# KiCad board Led_clock_sector.kicad_pcb (continued)
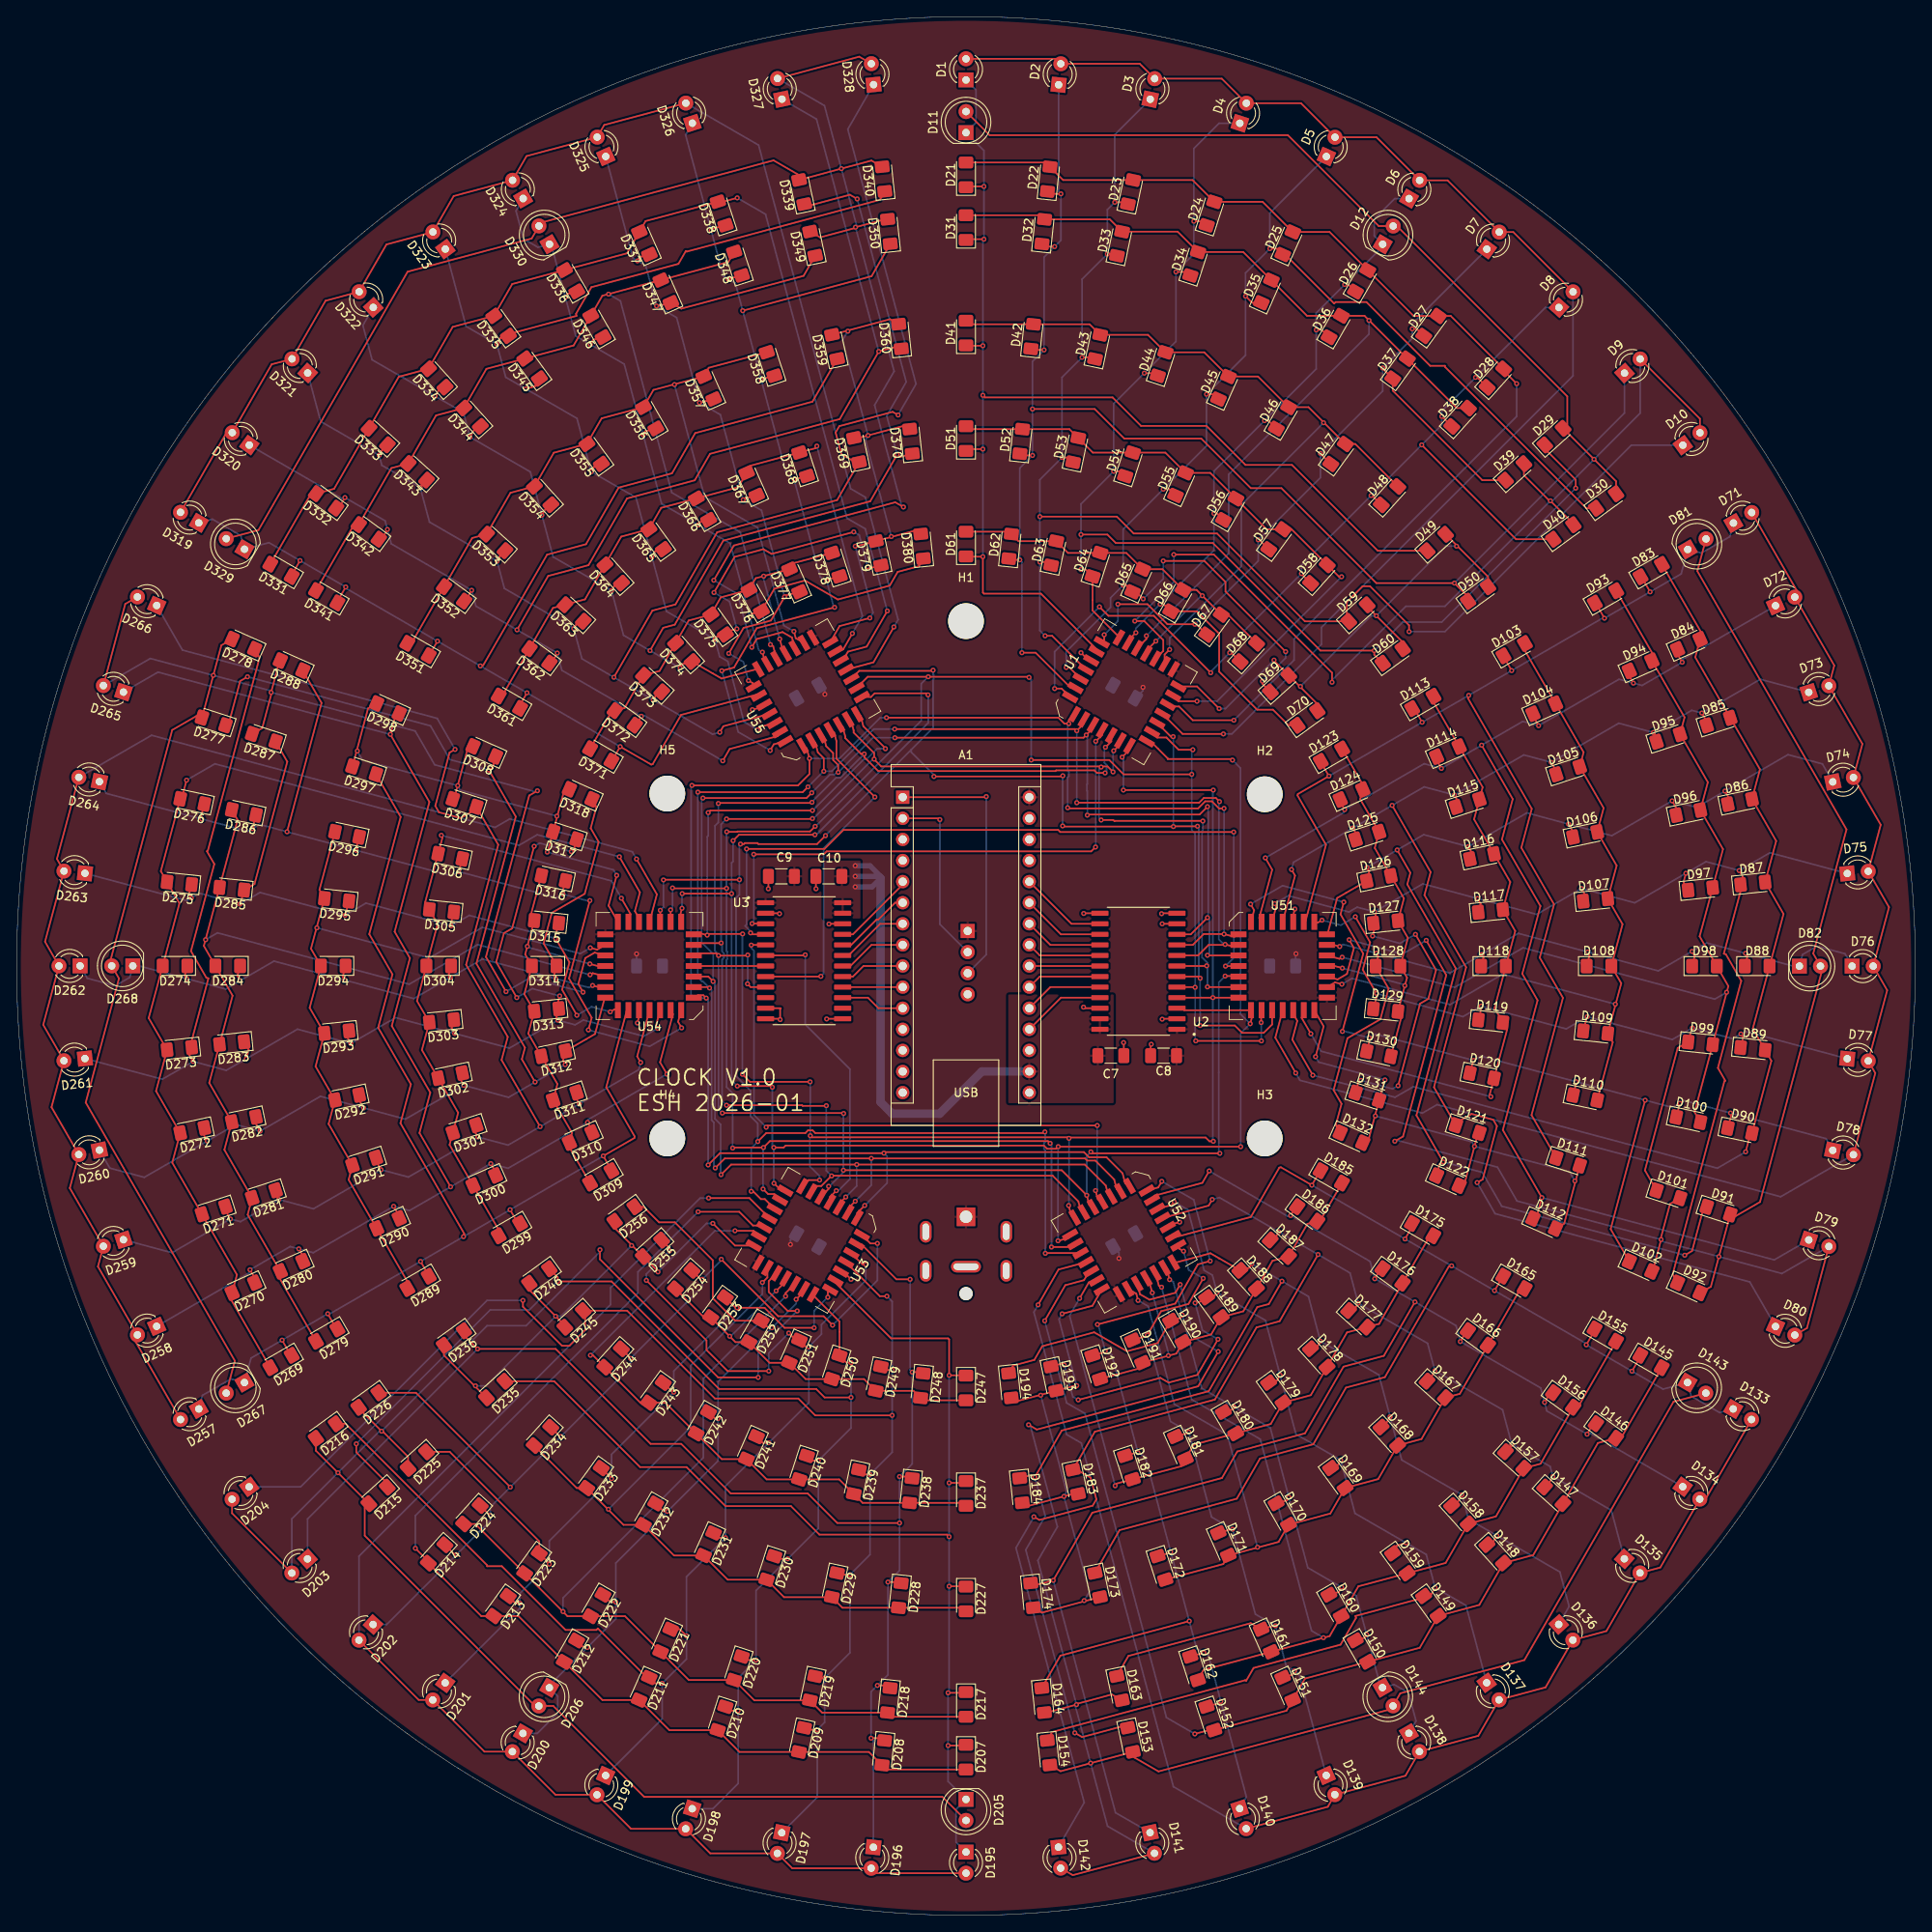
[diagram p0: board, top side]
## Routing (per net, layer and track width the routed paths; a pad name or vN(x,y) marks a point on that pad's centre or on a via; arc(x,y) is an arc through that point) (continued)
/Sector6/Sf: length 101.4
  Top w0.2: v1(88.28,156.33) 88.5,156.71 D376.1 91.23,159.72 94.92,160.71 98.88,158.43 105.12,160.1 106.07,161.75 108.64,162.44 D380.1 ; v1(69.08,189.12) 69.41,189.69 D346.1 ; D356.1 75.66,178.67 v1(75.43,178.27) ; D336.1 66.29,195.2 v1(66.07,194.82) ; U55.24 90.13,150.81 v1(89.79,152.09) ; v1(82.06,167.4) 82.25,167.73 D366.1
  Bottom w0.2: v1(89.79,152.09) 89.35,152.34 v1(88.28,156.33) 85.91,165.18 v1(82.06,167.4) 77.66,169.94 v1(75.43,178.27) 73.15,186.77 v1(69.08,189.12) 67.32,190.13 v1(66.07,194.82) 64.39,201.06 D330.1 62.77,200.83 61.03,201.83 60.12,205.21 D324.1
/Sector6/Sg: length 103.9
  Top w0.2: v1(88.1,148.66) 88.63,148.36 U55.26 ; D367.1 87.54,170.55 v1(87.48,170.43) ; v1(77.04,193.76) 77.11,193.72 D347.1 80.02,193.44 94.75,197.39 D349.1 ; D337.1 75.02,199.66 v1(74.75,199.19) ; v1(85.74,151.93) 87.52,155.01 90.81,155.89 v1(92.47,158.75) 92.55,158.9 D377.1 ; D357.1 82.24,182.11 v1(82.2,182.13)
  Bottom w0.2: v1(85.74,151.93) 87.5,150.91 v1(88.1,148.66) ; D325.1 74.22,199.5 v1(74.75,199.19) 75.74,198.62 v1(77.04,193.76) 79.46,192.36 v1(82.2,182.13) 84.73,180.67 v1(87.48,170.43) 89.68,169.16 v1(92.47,158.75)
/~{EWR0}: length 10.1
  Top w0.2: U3.21 100.69,118.11 106.68,124.1 A1.5
/~{EWR1}: length 9.3
  Top w0.2: U3.20 100.48,116.84 103.53,119.89 103.73,119.89 105.77,121.92 A1.6
/~{EWR2}: length 8.8
  Top w0.2: U3.19 100.15,115.57 103.96,119.38 A1.7
/~{EWR3}: length 8.3
  Top w0.2: A1.8 102.92,116.84 100.38,114.3 U3.18
/~{EWR4}: length 7.8
  Top w0.2: A1.9 101.96,114.3 100.69,113.03 U3.17
/~{EWR5}: length 7.2
  Top w0.2: U3.16 A1.10
/~{WR0}: length 66
  Top w0.2: v1(129.9,128.63) 129.37,128.1 97.53,128.1 97.17,127.75 v1(88.75,127.75) ; U1.8 130.69,142.12 v1(129.92,141.35) ; v1(88.54,119.41) 90.14,119.41 U3.3
  Bottom w0.2: v1(129.92,141.35) 129.92,128.65 v1(129.9,128.63) ; v1(88.54,119.41) 88.75,119.61 v1(88.75,127.75)
/~{WR1}: length 90.2
  Top w0.2: v1(145.54,114.29) 147.09,114.29 U51.8 ; U3.4 88.54,118.11 v1(88.37,118.29) ; v1(87.88,128.4) 97.26,128.4 99.54,130.68 125.4,130.68 125.65,130.43 v1(146.53,130.43)
  Bottom w0.2: v1(145.54,114.29) 146.53,115.28 v1(146.53,130.43) ; v1(87.88,128.4) 87.88,119.3 87.71,119.13 88.37,118.47 v1(88.37,118.29)
/~{WR2}: length 73.9
  Top w0.2: U52.8 130.18,86.21 v1(129.9,87.26) ; v1(130.1,95.1) 90.45,95.1 v1(90.25,94.89) ; U3.5 88.47,116.84 v1(88.44,116.81)
  Bottom w0.2: v1(129.9,87.26) 130.1,87.46 v1(130.1,95.1) ; v1(88.44,116.81) 88.44,116.46 88.77,116.13 88.77,96.37 v1(90.25,94.89)
/~{WR3}: length 37.9
  Top w0.2: U53.8 97.91,86.48 v1(98.68,87.25) ; v1(94.95,115.65) 94.87,115.57 U3.6
  Bottom w0.2: v1(94.95,115.65) 94.95,107.26 100.33,101.88 100.33,88.65 98.93,87.25 v1(98.68,87.25)
/~{WR4}: length 8.6
  Top w0.2: U3.7 U54.8
/~{WR5}: length 41.3
  Top w0.2: U55.8 98.42,142.41 98.7,141.37 98.7,139.27 v1(103.33,134.65) ; U3.8 96.8,113.03 v1(96.82,113.06)
  Bottom w0.2: v1(96.82,113.06) 97.16,113.39 97.16,128.47 v1(103.33,134.65)
Net-(A1-D0/RX): length 21.9
  Top w0.2: v1(111.15,131.93) 111,132.08 A1.2
  Bottom w0.2: v1(111.15,131.93) 111.15,119.33 J1.2
Net-(A1-D1/TX): length 32.3
  Top w0.2: v1(116.74,134.7) 116.66,134.62 A1.1
  Bottom w0.2: J1.3 116.74,115.67 v1(116.74,134.7)

## Copper pours and planes (outline as drawn; the poured copper is in the pictures)
+3.3V on Top: 97.16,120.02 97.16,127 101.6,127 101.6,120.02
+3.3V on Top: 132.08,110.87 132.08,97.79 119.38,97.79 119.38,110.87
+5V on Top: -6.35,234.95 234.95,234.95 234.95,-12.7 -6.35,-12.7
GND on Bottom: -6.35,234.95 234.95,234.95 234.95,-12.7 -6.35,-12.7

## Text on the board
F.Silkscreen: CLOCK V1.0 / ESH 2026-01
